# Altium PCB MOTHER_BOARD_LS1021_v1.0.PcbDoc (part 2 of 15) (continued)
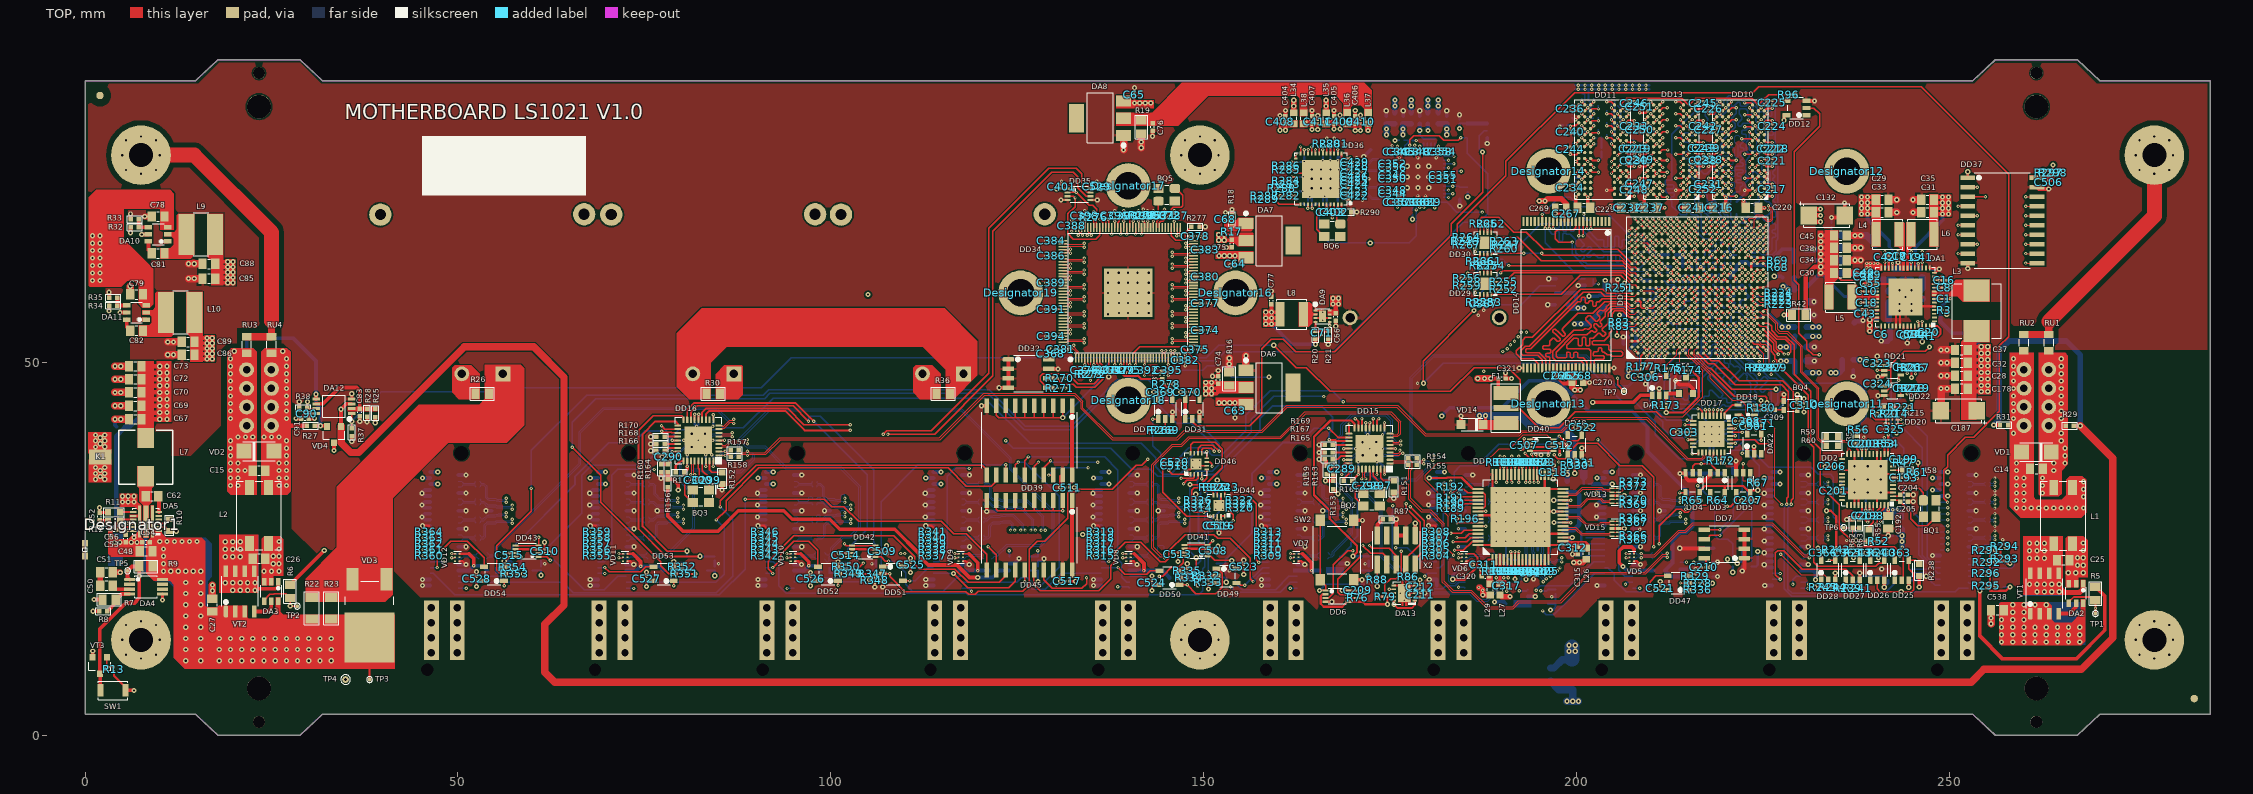
[diagram p0: TOP view]
## Components (designator, comment, footprint, x,y, rotation, side; value= is the part's Value field where it differs from the comment) (continued)
R255 "4K7" R0201 190.275,60.8 r0 top
R256 "4K7" R0201 185.375,61.3 r180 top
R257 "4K7" R0201 187.575,62.975 r90 top
R258 "4K7" R0201 187.075,58.075 r270 top
R259 "4K7" R0201 185.375,60.3 r180 top
R260 "4K7" R0201 190.3,65.275 r0 top
R261 "4K7" R0201 188.075,63.575 r270 top
R262 "4K7" R0201 188.575,68.6 r90 top
R263 "4K7" R0201 190.3,66.275 r0 top
R264 "4K7" R0201 185.3,66.775 r180 top
R265 "4K7" R0201 187.575,68.6 r90 top
R266 "4K7" R0201 187.075,63.575 r270 top
R267 "4K7" R0201 185.3,65.775 r180 top
R268 "4К7" R0201 144.3,40.925 r90 top
R269 "4К7" R0201 144.875,40.925 r90 top
R270 "4К7" R0201 130.7,47.875 r180 top
R271 "4К7" R0201 130.7,46.575 r180 top
R272 "4К7" R0201 135.075,48.4 r90 top
R273 "4К7" R0201 134.575,48.4 r90 top
R274 "4К7" R0201 137.275,48.975 r90 top
R275 "4К7" R0201 139.675,48.975 r90 top
R276 "4К7" R0201 135.275,69.475 r270 top
R277 "4К99 1%" R0402 148.9,68.2 r0 top
R278 "1К 1%" R0201 145,47.1 r0 top
R279 "4К7" R0201 141.925,69.775 r270 top
R280 "1К 1%" R0201 166.5,79.325 r90 top
R281 "1К 1%" R0201 167.5,79.325 r90 top
R282 "1К 1%" R0201 161.05,72.375 r180 top
R283 "10К" R0201 161.05,73.875 r0 top
R284 "10К" R0201 161.05,74.375 r0 top
R285 "10К" R0201 161.05,75.875 r0 top
R286 "10К" R0201 161.05,76.375 r0 top
R287 "2К2" R0201 158.175,72.375 r0 top
R288 "1К 1%" R0201 160.45,73.375 r180 top
R289 "2К2" R0201 158.175,71.875 r0 top
R290 "12К1 1%" R0402 169.225,70.175 r180 top
R291 "4К7" R0201 254.975,24.825 r270 top
R292 "4К7" R0201 255,23.225 r90 top
R293 "4К7" R0201 257.425,23.7 r90 top
R294 "4К7" R0201 257.425,25.325 r270 top
R295 "4К7" R0201 254.975,20.075 r90 top
R296 "4К7" R0201 254.975,21.7 r270 top
R297 "0" R0201 263.325,75.425 r270 top
R298 "0" R0201 263.925,75.425 r270 top
R299 "4К7" R0201 200.95,24.1 r0 bottom
R300 "4К7" R0201 200.95,24.9 r0 bottom
R301 "4К7" R0201 200.95,25.7 r0 bottom
R302 "4К7" R0201 200.95,26.5 r0 bottom
R303 "4К7" R0201 200.95,27.3 r0 bottom
R304 "4К7" R0201 181.175,24.1 r180 top
R305 "4К7" R0201 181.175,24.9 r180 top
R306 "4К7" R0201 181.175,25.725 r180 top
R307 "4К7" R0201 181.175,26.5 r180 top
R308 "4К7" R0201 181.175,27.3 r180 top
R309 "4К7" R0201 158.675,24.1 r180 top
R310 "4К7" R0201 158.675,24.9 r180 top
R311 "4К7" R0201 158.675,25.7 r180 top
R312 "4К7" R0201 158.675,26.5 r180 top
R313 "4К7" R0201 158.675,27.3 r180 top
R314 "4К7" R0201 149.25,30.55 r0 top
R315 "4К7" R0201 136.175,24.1 r180 top
R316 "4К7" R0201 136.175,24.9 r180 top
R317 "4К7" R0201 136.175,25.7 r180 top
R318 "4К7" R0201 136.175,26.5 r180 top
R319 "4К7" R0201 136.175,27.3 r180 top
R320 "4К7" R0201 154.825,30.55 r0 top
R321 "4К7" R0201 154.825,31.05 r0 top
R322 "4К7" R0201 154.825,31.55 r0 top
R323 "4К7" R0201 152.825,33.275 r90 top
R324 "4К7" R0201 151.825,33.275 r90 top
R325 "4К7" R0201 151.325,33.275 r90 top
R326 "4К7" R0201 149.25,31.55 r180 top
R327 "8х4К7" R0201 149.25,31.05 r180 top
R328 "4К7" R0201 216.25,20.425 r180 top
R329 "4К7" R0201 215.95,21.325 r270 top
R330 "4К7" R0201 199.775,36.225 r90 top
R331 "4К7" R0201 200.675,36.525 r180 top
R332 "4К7" R0201 150.35,21.375 r0 top
R333 "4К7" R0201 150.65,20.525 r90 top
R334 "4К7" R0201 148.1,21.125 r180 top
R335 "4К7" R0201 147.8,22.1 r270 top
R336 "0" R0201 216.25,19.5 r0 top
R337 "4К7" R0201 113.7,24.1 r180 top
R338 "4К7" R0201 113.7,24.9 r180 top
R339 "4К7" R0201 113.7,25.7 r180 top
R340 "4К7" R0201 113.7,26.5 r180 top
R341 "4К7" R0201 113.7,27.3 r180 top
R342 "4К7" R0201 91.2,24.1 r180 top
R343 "4К7" R0201 91.2,24.9 r180 top
R344 "4К7" R0201 91.2,25.7 r180 top
R345 "4К7" R0201 91.2,26.5 r180 top
R346 "4К7" R0201 91.2,27.3 r180 top
R347 "4К7" R0201 105.6,21.65 r0 top
R348 "4К7" R0201 105.9,20.775 r90 top
R349 "4К7" R0201 102.4,21.65 r180 top
R350 "4К7" R0201 102.1,22.6 r270 top
R351 "4К7" R0201 80.4,21.65 r180 top
R352 "4К7" R0201 80.1,22.575 r270 top
R353 "4К7" R0201 57.625,21.65 r180 top
R354 "4К7" R0201 57.325,22.55 r270 top
R355 "4К7" R0201 68.675,24.1 r180 top
R356 "4К7" R0201 68.675,24.9 r180 top
R357 "4К7" R0201 68.675,25.709 r180 top
R358 "4К7" R0201 68.675,26.5 r180 top
R359 "4К7" R0201 68.675,27.3 r180 top
R360 "4К7" R0201 46.175,24.1 r180 top
R361 "4К7" R0201 46.175,24.9 r180 top
R362 "4К7" R0201 46.175,25.7 r180 top
R363 "4К7" R0201 46.175,26.5 r180 top
R364 "4К7" R0201 46.175,27.3 r180 top
R365 "0" R0201 207.7,26.2 r180 top
R366 "0" R0201 207.7,26.8 r180 top
R367 "0" R0201 207.675,28.6 r180 top
R368 "0" R0201 207.675,29.2 r180 top
R369 "0" R0201 207.675,31 r180 top
R370 "0" R0201 207.675,31.6 r180 top
R371 "0" R0201 201.3,33.7 r180 bottom
R372 "0" R0201 207.675,33.4 r180 top
R373 "0" R0201 207.675,34 r180 top
RU1 "WE-VS 82550140" WE-VS_0805 263.35,52.65 r270 top
RU2 "WE-VS 82550140" WE-VS_0805 260,52.65 r90 top
RU3 "WE-VS 82550140" WE-VS_0805 21.675,52.35 r270 top
RU4 "WE-VS 82550140" WE-VS_0805 25,52.35 r90 top
SW1 "B3U-1000P" B3U-1000P 3.75,6.025 r0 top
SW2 "WS-TASV 430152080826" "WE 430152080826" 167.9,24.85 r90 top
TP1 "VIN1_STAT" TEST_POINT_SMD 269.6,16.325 r90 top
TP2 "VIN2_STAT" TEST_POINT_SMD 28.45,17.325 r90 top
TP3 "PVIN" TEST_POINT_SMD 38.15,7.475 r90 top
TP4 "AGND" KONT_04/09 34.925,7.475 r90 top
TP5 "PWR_ENA" TEST_POINT_SMD 5.7,22.05 r90 top
TP6 "TEST_POINT_SMD" TEST_POINT_SMD 235.85,27.85 r90 top
TP7 "TEST_POINT_SMD" TEST_POINT_SMD 206.375,46.125 r90 top
VD1 "SMAJ15CA" SMA(DO-214AC) 261.675,38 r0 top
VD2 "SMAJ15CA" SMA(DO-214AC) 23.325,38.1 r180 top
VD3 "STPS15L45CB" "DPAK - diodE" 38.15,17.025 r180 top
VD4 "BAT54C" SOT-23 33.375,40.325 r180 top
VD5 "TPD4S012DRYR" SON-6 207.425,23.85 r0 top
VD6 "TPD4S012DRYR" SON-6 184.925,23.85 r0 top
VD7 "TPD4S012DRYR" SON-6 162.425,23.85 r0 top
VD8 "TPD4S012DRYR" SON-6 139.925,23.85 r0 top
VD9 "TPD4S012DRYR" SON-6 117.425,23.85 r0 top
VD10 "TPD4S012DRYR" SON-6 94.925,23.85 r0 top
VD11 "TPD4S012DRYR" SON-6 72.425,23.85 r0 top
VD12 "TPD4S012DRYR" SON-6 49.925,23.85 r0 top
VD13 "SP3010-04UTG" uDFN10 205.225,32.125 r270 top
VD14 "SMF5.0AT1G" SOD-123 186,41.7 r0 top
VD15 "SP3010-04UTG" uDFN10 205.225,27.725 r270 top
VD16 "WE-TVS 824014881" DFN3810-9L 212.4,30.1 r90 bottom
VD17 "WE-TVS 824014881" DFN3810-9L 194.825,24.35 r0 bottom
VD18 "WE-TVS 824014881" DFN3810-9L 167.225,30.1 r90 bottom
VD19 "WE-TVS 824014881" DFN3810-9L 145.175,30.1 r90 bottom
VD20 "WE-TVS 824014881" DFN3810-9L 122.625,30.05 r90 bottom
VD21 "WE-TVS 824014881" DFN3810-9L 100.4,30.1 r90 bottom
VD22 "WE-TVS 824014881" DFN3810-9L 77.975,30.1 r90 bottom
VD23 "WE-TVS 824014881" DFN3810-9L 55,30.1 r90 bottom
VD24 "SP3304NUTG" DFN10 256.2,24.025 r180 bottom
VD25 "SP3304NUTG" DFN10 256.2,20.9 r180 bottom
VT1 "IRF7241" SOIC8 262.775,19.025 r180 top
VT2 "IRF7241" SOIC8 20.8,19.3 r180 top
VT3 "IRLML6246TR" SOT-23 1.975,9.35 r180 top value=IRLML6246TRPbF
VT4 "IRLML6246TR" SOT-23 214.675,46.95 r0 top value=IRLML6246TRPbF
X1 "WA-BCPH 79578211" "WE 79578211" 174.895,56 r180 bottom
X2 "JTAG_CORTEX" PLLD1.27-10s 175.85,24.85 r180 top
X3 "Amphenol CE1204000110111" CE1204000110111 248.375,8.8 r90 bottom locked
X4 "Amphenol CE1204000110111" CE1204000110111 225.875,8.8 r90 bottom locked
X5 "Amphenol CE1204000110111" CE1204000110111 203.375,8.8 r90 bottom locked
X6 "Amphenol CE1204000110111" CE1204000110111 180.875,8.8 r90 bottom locked
X7 "Amphenol CE1204000110111" CE1204000110111 158.375,8.8 r90 bottom locked
X8 "Amphenol CE1204000110111" CE1204000110111 135.875,8.8 r90 bottom locked
X9 "Amphenol CE1204000110111" CE1204000110111 113.375,8.8 r90 bottom locked
X10 "Amphenol CE1204000110111" CE1204000110111 90.875,8.8 r90 bottom locked
X11 "Amphenol CE1204000110111" CE1204000110111 68.375,8.8 r90 bottom locked
X12 "Amphenol CE1204000110111" CE1204000110111 45.875,8.8 r90 bottom locked
X13 "MOLEX 46112-0201" "MOLEX 46112-0201" 261.676,45.289 r180 bottom locked
X14 "MOLEX 46112-0201" "MOLEX 46112-0201" 23.326,45.279 r180 bottom locked

## Footprints (in the part's own frame and the unit in brackets; to place one, negate y for a bottom-side part, rotate by r counter-clockwise, add the part's x,y. Pads: shape width x height; smd on the part's side, far side on the other; paste and mask are expansions set on the pad)
B3U-1000P [mm]
  rect 0.8x1.7 smd paste+0 mask+0.05: 1(-1.7,0) 2(1.7,0)
  silkscreen extent -2,-1.25 2,1.25, body extent -2,-1.25 2,1.25, height 1.6
BGA525 [mm]
  round 0.41 smd paste-0.02 mask+0.05: A2(-8,8.8) A3(-7.2,8.8) A4(-6.4,8.8) A5(-5.6,8.8) A6(-4.8,8.8) A7(-4,8.8) A8(-3.2,8.8) A9(-2.4,8.8) A10(-1.6,8.8) A11(-0.8,8.8) A12(0,8.8) A13(0.8,8.8) A14(1.6,8.8) A15(2.4,8.8) A16(3.2,8.8) A17(4,8.8) A18(4.8,8.8) A19(5.6,8.8) A20(6.4,8.8) A21(7.2,8.8) A22(8,8.8) AA1(-8.8,-7.2) AA2(-8,-7.2) AA3(-7.2,-7.2) AA4(-6.4,-7.2) AA5(-5.6,-7.2) AA6(-4.8,-7.2) AA7(-4,-7.2) AA8(-3.2,-7.2) AA9(-2.4,-7.2) AA10(-1.6,-7.2) AA11(-0.8,-7.2) AA12(0,-7.2) AA13(0.8,-7.2) AA14(1.6,-7.2) AA15(2.4,-7.2) AA16(3.2,-7.2) AA17(4,-7.2) AA18(4.8,-7.2) AA19(5.6,-7.2) AA20(6.4,-7.2) AA21(7.2,-7.2) AA22(8,-7.2) AA23(8.8,-7.2) AB1(-8.8,-8) AB2(-8,-8) AB3(-7.2,-8) AB4(-6.4,-8) AB5(-5.6,-8) AB6(-4.8,-8) AB7(-4,-8) AB8(-3.2,-8) AB9(-2.4,-8) AB10(-1.6,-8) AB11(-0.8,-8) AB12(0,-8) AB13(0.8,-8) AB14(1.6,-8) AB15(2.4,-8) AB16(3.2,-8) AB17(4,-8) AB18(4.8,-8) AB19(5.6,-8) AB20(6.4,-8) AB21(7.2,-8) AB22(8,-8) AB23(8.8,-8) AC2(-8,-8.8) AC3(-7.2,-8.8) AC4(-6.4,-8.8) AC5(-5.6,-8.8) AC6(-4.8,-8.8) AC7(-4,-8.8) AC8(-3.2,-8.8) AC9(-2.4,-8.8) AC10(-1.6,-8.8) AC11(-0.8,-8.8) AC12(0,-8.8) AC13(0.8,-8.8) AC14(1.6,-8.8) AC15(2.4,-8.8) AC16(3.2,-8.8) AC17(4,-8.8) AC18(4.8,-8.8) AC19(5.6,-8.8) AC20(6.4,-8.8) AC21(7.2,-8.8) AC22(8,-8.8) B1(-8.8,8) B2(-8,8) B3(-7.2,8) B4(-6.4,8) B5(-5.6,8) B6(-4.8,8) B7(-4,8) B8(-3.2,8) B9(-2.4,8) B10(-1.6,8) B11(-0.8,8) B12(0,8) B13(0.8,8) B14(1.6,8) B15(2.4,8) B16(3.2,8) B17(4,8) B18(4.8,8) B19(5.6,8) B20(6.4,8) B21(7.2,8) B22(8,8) B23(8.8,8) C1(-8.8,7.2) C2(-8,7.2) C3(-7.2,7.2) C4(-6.4,7.2) C5(-5.6,7.2) C6(-4.8,7.2) C7(-4,7.2) C8(-3.2,7.2) C9(-2.4,7.2) C10(-1.6,7.2) C11(-0.8,7.2) C12(0,7.2) C13(0.8,7.2) C14(1.6,7.2) C15(2.4,7.2) C16(3.2,7.2) C17(4,7.2) C18(4.8,7.2) C19(5.6,7.2) C20(6.4,7.2) C21(7.2,7.2) C22(8,7.2) C23(8.8,7.2) D1(-8.8,6.4) D2(-8,6.4) D3(-7.2,6.4) D4(-6.4,6.4) D5(-5.6,6.4) D6(-4.8,6.4) D7(-4,6.4) D8(-3.2,6.4) D9(-2.4,6.4) D10(-1.6,6.4) D11(-0.8,6.4) D12(0,6.4) D13(0.8,6.4) D14(1.6,6.4) D15(2.4,6.4) D16(3.2,6.4) D17(4,6.4) D18(4.8,6.4) D19(5.6,6.4) D20(6.4,6.4) D21(7.2,6.4) D22(8,6.4) D23(8.8,6.4) E1(-8.8,5.6) E2(-8,5.6) E3(-7.2,5.6) E4(-6.4,5.6) E5(-5.6,5.6) E6(-4.8,5.6) E7(-4,5.6) E8(-3.2,5.6) E9(-2.4,5.6) E10(-1.6,5.6) E11(-0.8,5.6) E12(0,5.6) E13(0.8,5.6) E14(1.6,5.6) E15(2.4,5.6) E16(3.2,5.6) E17(4,5.6) E18(4.8,5.6) E19(5.6,5.6) E20(6.4,5.6) E21(7.2,5.6) E22(8,5.6) E23(8.8,5.6) F1(-8.8,4.8) F2(-8,4.8) F3(-7.2,4.8) F4(-6.4,4.8) F5(-5.6,4.8) F6(-4.8,4.8) F7(-4,4.8) F8(-3.2,4.8) F9(-2.4,4.8) F10(-1.6,4.8) F11(-0.8,4.8) F12(0,4.8) F13(0.8,4.8) F14(1.6,4.8) F15(2.4,4.8) F16(3.2,4.8) F17(4,4.8) F18(4.8,4.8) F19(5.6,4.8) F20(6.4,4.8) F21(7.2,4.8) F22(8,4.8) F23(8.8,4.8) G1(-8.8,4) G2(-8,4) G3(-7.2,4) G4(-6.4,4) G5(-5.6,4) G6(-4.8,4) G7(-4,4) G8(-3.2,4) G9(-2.4,4) G10(-1.6,4) G11(-0.8,4) G12(0,4) G13(0.8,4) G14(1.6,4) G15(2.4,4) G16(3.2,4) G17(4,4) G18(4.8,4) G19(5.6,4) G20(6.4,4) G21(7.2,4) G22(8,4) G23(8.8,4) H1(-8.8,3.2) H2(-8,3.2) H3(-7.2,3.2) H4(-6.4,3.2) H5(-5.6,3.2) H6(-4.8,3.2) H7(-4,3.2) H8(-3.2,3.2) H9(-2.4,3.2) H10(-1.6,3.2) H11(-0.8,3.2) H12(0,3.2) H13(0.8,3.2) H14(1.6,3.2) H15(2.4,3.2) H16(3.2,3.2) H17(4,3.2) H18(4.8,3.2) H19(5.6,3.2) H20(6.4,3.2) H21(7.2,3.2) H22(8,3.2) H23(8.8,3.2) J1(-8.8,2.4) J2(-8,2.4) J3(-7.2,2.4) J4(-6.4,2.4) J5(-5.6,2.4) J6(-4.8,2.4) J7(-4,2.4) J8(-3.2,2.4) J9(-2.4,2.4) J10(-1.6,2.4) J11(-0.8,2.4) J12(0,2.4) J13(0.8,2.4) J14(1.6,2.4) J15(2.4,2.4) J16(3.2,2.4) J17(4,2.4) J18(4.8,2.4) J19(5.6,2.4) J20(6.4,2.4) J21(7.2,2.4) J22(8,2.4) J23(8.8,2.4) K1(-8.8,1.6) K2(-8,1.6) K3(-7.2,1.6) K4(-6.4,1.6) K5(-5.6,1.6) K6(-4.8,1.6) K7(-4,1.6) K8(-3.2,1.6) K9(-2.4,1.6) K10(-1.6,1.6) K11(-0.8,1.6) K12(0,1.6) K13(0.8,1.6) K14(1.6,1.6) K15(2.4,1.6) K16(3.2,1.6) K17(4,1.6) K18(4.8,1.6) K19(5.6,1.6) K20(6.4,1.6) K21(7.2,1.6) K22(8,1.6) K23(8.8,1.6) L1(-8.8,0.8) L2(-8,0.8) L3(-7.2,0.8) L4(-6.4,0.8) L5(-5.6,0.8) L6(-4.8,0.8) L7(-4,0.8) L8(-3.2,0.8) L9(-2.4,0.8) L10(-1.6,0.8) L11(-0.8,0.8) L12(0,0.8) L13(0.8,0.8) L14(1.6,0.8) L15(2.4,0.8) L16(3.2,0.8) L17(4,0.8) L18(4.8,0.8) L19(5.6,0.8) L20(6.4,0.8) L21(7.2,0.8) L22(8,0.8) L23(8.8,0.8) M1(-8.8,0) M2(-8,0) M3(-7.2,0) M4(-6.4,0) M5(-5.6,0) M6(-4.8,0) M7(-4,0) M8(-3.2,0) M9(-2.4,0) M10(-1.6,0) M11(-0.8,0) M12(0,0) M13(0.8,0) M14(1.6,0) M15(2.4,0) M16(3.2,0) M17(4,0) M18(4.8,0) M19(5.6,0) M20(6.4,0) M21(7.2,0) M22(8,0) M23(8.8,0) N1(-8.8,-0.8) N2(-8,-0.8) N3(-7.2,-0.8) N4(-6.4,-0.8) N5(-5.6,-0.8) N6(-4.8,-0.8) N7(-4,-0.8) N8(-3.2,-0.8) N9(-2.4,-0.8) N10(-1.6,-0.8) N11(-0.8,-0.8) N12(0,-0.8) N13(0.8,-0.8) N14(1.6,-0.8) N15(2.4,-0.8) N16(3.2,-0.8) N17(4,-0.8) N18(4.8,-0.8) N19(5.6,-0.8) N20(6.4,-0.8) N21(7.2,-0.8) N22(8,-0.8) N23(8.8,-0.8) P1(-8.8,-1.6) P2(-8,-1.6) P3(-7.2,-1.6) P4(-6.4,-1.6) P5(-5.6,-1.6) P6(-4.8,-1.6) P7(-4,-1.6) P8(-3.2,-1.6) P9(-2.4,-1.6) P10(-1.6,-1.6) P11(-0.8,-1.6) P12(0,-1.6) P13(0.8,-1.6) P14(1.6,-1.6) P15(2.4,-1.6) P16(3.2,-1.6) P17(4,-1.6) P18(4.8,-1.6) P19(5.6,-1.6) P20(6.4,-1.6) P21(7.2,-1.6) P22(8,-1.6) P23(8.8,-1.6) R1(-8.8,-2.4) R2(-8,-2.4) R3(-7.2,-2.4) R4(-6.4,-2.4) R5(-5.6,-2.4) R6(-4.8,-2.4) R7(-4,-2.4) R8(-3.2,-2.4) R9(-2.4,-2.4) R10(-1.6,-2.4) R11(-0.8,-2.4) R12(0,-2.4) R13(0.8,-2.4) R14(1.6,-2.4) R15(2.4,-2.4) R16(3.2,-2.4) R17(4,-2.4) R18(4.8,-2.4) R19(5.6,-2.4) R20(6.4,-2.4) R21(7.2,-2.4) R22(8,-2.4) R23(8.8,-2.4) T1(-8.8,-3.2) T2(-8,-3.2) T3(-7.2,-3.2) T4(-6.4,-3.2) T5(-5.6,-3.2) T6(-4.8,-3.2) T7(-4,-3.2) T8(-3.2,-3.2) T9(-2.4,-3.2) T10(-1.6,-3.2) T11(-0.8,-3.2) T12(0,-3.2) T13(0.8,-3.2) T14(1.6,-3.2) T15(2.4,-3.2) T16(3.2,-3.2) T17(4,-3.2) T18(4.8,-3.2) T19(5.6,-3.2) T20(6.4,-3.2) T21(7.2,-3.2) T22(8,-3.2) T23(8.8,-3.2) U1(-8.8,-4) U2(-8,-4) U3(-7.2,-4) U4(-6.4,-4) U5(-5.6,-4) U6(-4.8,-4) U7(-4,-4) U8(-3.2,-4) U9(-2.4,-4) U10(-1.6,-4) U11(-0.8,-4) U12(0,-4) U13(0.8,-4) U14(1.6,-4) U15(2.4,-4) U16(3.2,-4) U17(4,-4) U18(4.8,-4) U19(5.6,-4) U20(6.4,-4) U21(7.2,-4) U22(8,-4) U23(8.8,-4) V1(-8.8,-4.8) V2(-8,-4.8) V3(-7.2,-4.8) V4(-6.4,-4.8) V5(-5.6,-4.8) V6(-4.8,-4.8) V7(-4,-4.8) V8(-3.2,-4.8) V9(-2.4,-4.8) V10(-1.6,-4.8) V11(-0.8,-4.8) V12(0,-4.8) V13(0.8,-4.8) V14(1.6,-4.8) V15(2.4,-4.8) V16(3.2,-4.8) V17(4,-4.8) V18(4.8,-4.8) V19(5.6,-4.8) V20(6.4,-4.8) V21(7.2,-4.8) V22(8,-4.8) V23(8.8,-4.8) W1(-8.8,-5.6) W2(-8,-5.6) W3(-7.2,-5.6) W4(-6.4,-5.6) W5(-5.6,-5.6) W6(-4.8,-5.6) W7(-4,-5.6) W8(-3.2,-5.6) W9(-2.4,-5.6) W10(-1.6,-5.6) W11(-0.8,-5.6) W12(0,-5.6) W13(0.8,-5.6) W14(1.6,-5.6) W15(2.4,-5.6) W16(3.2,-5.6) W17(4,-5.6) W18(4.8,-5.6) W19(5.6,-5.6) W20(6.4,-5.6) W21(7.2,-5.6) W22(8,-5.6) W23(8.8,-5.6) Y1(-8.8,-6.4) Y2(-8,-6.4) Y3(-7.2,-6.4) Y4(-6.4,-6.4) Y5(-5.6,-6.4) Y6(-4.8,-6.4) Y7(-4,-6.4) Y8(-3.2,-6.4) Y9(-2.4,-6.4) Y10(-1.6,-6.4) Y11(-0.8,-6.4) Y12(0,-6.4) Y13(0.8,-6.4) Y14(1.6,-6.4) Y15(2.4,-6.4) Y16(3.2,-6.4) Y17(4,-6.4) Y18(4.8,-6.4) Y19(5.6,-6.4) Y20(6.4,-6.4) Y21(7.2,-6.4) Y22(8,-6.4) Y23(8.8,-6.4)
  silkscreen extent -9.5,-9.5 9.5,9.5, body extent -9.5,-9.5 9.5,9.5, height 1.9
C0201 [mm]
  rect 0.35x0.3 smd paste-3 mask+0.05: 1(-0.275,0) 2(0.275,0)
  body extent -0.3,-0.15 0.3,0.15, height 0.2
C0402 [mm]
  rect 0.6x0.6 smd paste-0.05 mask+0.05: 1(0.5,0) 2(-0.5,0)
  silkscreen extent -0.08,-0.25 0.08,0.25, body extent -0.5,-0.25 0.5,0.25, height 0.6
C0603 [mm]
  rect 0.9x0.9 smd paste-0.05 mask+0.05: 1(-0.75,0) 2(0.75,0)
  silkscreen extent -0.18,-0.4 0.18,0.4, body extent -0.8,-0.4 0.8,0.4, height 0.5
C0805 [mm]
  rect 1.1x1.4 smd paste-0.05 mask+0.05: 1(-0.85,0) 2(0.85,0)
  silkscreen extent -0.18,-0.63 0.18,0.63, body extent -1,-0.62 1,0.63, height 1
C1812 [mm]
  rect 1.4x3.4 smd paste-0.05 mask+0.05: 1(-2,0) 2(2,0)
  silkscreen extent -1.17,-1.6 1.17,1.6, body extent -2.25,-1.6 2.25,1.6, height 1.6
CaseC [mm]
  rect 2.2x2.4 smd paste-0.05 mask+0.05: 1(-2.4,0) 2(2.4,0)
  silkscreen extent -3.73,-1.63 3.1,1.83, body extent -3.09,-1.63 3.09,1.57, height 2.67
CE1204000110111 [mm]
  rect 2.7x3.4 smd paste-0.1 mask+0.05: 0(-3.15,2.3) 0(32.2,2.3)
  rect 0.5x1.2 smd paste-0.05 mask+0.05: 1(11.3,0.4) 2(10.9,4.2) 3(12.1,0.4) 4(11.7,4.2) 5(12.9,0.4) 6(12.5,4.2) 7(13.7,0.4) 8(13.3,4.2) 9(14.5,0.4) 10(14.1,4.2) 11(15.3,0.4) 12(14.9,4.2) 13(16.1,0.4) 14(15.7,4.2) 15(16.9,0.4) 16(16.5,4.2) 17(17.7,0.4) 18(17.3,4.2) 19(18.5,0.4) 20(18.1,4.2) 21(19.3,0.4) 22(18.9,4.2) 23(20.1,0.4) 24(19.7,4.2) 25(20.9,0.4) 26(20.5,4.2) 27(21.7,0.4) 28(21.3,4.2) 29(22.5,0.4) 30(22.1,4.2) 31(23.3,0.4) 32(22.9,4.2) 33(24.1,0.4) 34(23.7,4.2) 35(24.9,0.4) 36(24.5,4.2) 37(25.7,0.4) 38(25.3,4.2) 39(26.5,0.4) 40(26.1,4.2)
  rect 0x0 hole 1.65 unplated paste+0 mask+0.05: MO(0,0)
  rect 0x0 hole 1.95 unplated paste+0 mask+0.05: MO(29.05,4.6)
  rect 2x2 hole 1 paste+0 mask+0.1: P1(8.3,0.57) P2(6.3,0.57) P3(4.3,0.57) P4(2.3,0.57) P5(8.3,4.03) P6(6.3,4.03) P7(4.3,4.03) P8(2.3,4.03)
  silkscreen extent -4.67,-1.2 33.73,5.8, body extent -4.3,-1.2 33.35,5.8, height 11.3
DFN10 [mm]
  rect 0.55x0.3 smd paste-0.03 mask+0.05: 1(-1.1,1) 2(-1.1,0.5) 3(-1.1,0) 4(-1.1,-0.5) 5(-1.1,-1) 6(1.1,-1) 7(1.1,-0.5) 8(1.1,0) 9(1.1,0.5) 10(1.1,1)
  rect 1.25x2.3 smd paste-0.05 mask+0.05: 11(0,0)
  silkscreen extent -1.85,-1.35 1.35,1.5, body extent -1.35,-1.35 1.35,1.35, height 0.55
DFN3810-9L [mm] "WE 824014881"
  rect 0.2x0.6 smd paste+0 mask+0.05: 1(-1.7,-0.475) 2(-0.8,-0.475) 3(0,-0.475) 4(0.8,-0.475) 5(1.7,-0.475) 6(1.3,0.475) 7(0.4,0.475) 8(-0.4,0.475) 9(-1.3,0.475)
  silkscreen extent -2.25,-0.57 1.95,0.55, body extent -1.9,-0.5 1.9,0.5, height 0.5
"DPAK - diodE" [mm] "STPS15L45CB"
  rect 1.6x3 smd paste-0.1 mask+0.05: A1(-2.286,-3.925) A2(2.286,-3.925)
  rect 6.7x6.7 smd paste-0.1 mask+0.05: K(0,3.925)
  silkscreen extent -3.27,-3.62 3.27,-0.47, body extent -3.27,-4.74 3.27,5.2, height 2.39
DS321G [mm]
  rect 1.4x1.2 smd paste-0.05 mask+0.05: 1(-1.1,-0.9) 2(1.1,-0.9) 3(1.1,0.8) 4(-1.1,0.8)
  silkscreen extent -2,-1.7 1.6,1.25, body extent -1.6,-1.25 1.6,1.25, height 0.85
DSB211SDN [mm]
  rect 0.6x0.8 smd paste-0.05 mask+0.05: 1(-0.9,-0.6) 2(0.9,-0.6) 3(0.9,0.6) 4(-0.9,0.6)
  silkscreen extent -1.4,-1.2 1,0.8, body extent -1,-0.8 1,0.8, height 0.7
FBGA-96 [mm]
  round 0.45 smd paste-0.02 mask+0.05: A1(-3.2,6) A2(-2.4,6) A3(-1.6,6) A7(1.6,6) A8(2.4,6) A9(3.2,6) B1(-3.2,5.2) B2(-2.4,5.2) B3(-1.6,5.2) B7(1.6,5.2) B8(2.4,5.2) B9(3.2,5.2) C1(-3.2,4.4) C2(-2.4,4.4) C3(-1.6,4.4) C7(1.6,4.4) C8(2.4,4.4) C9(3.2,4.4) D1(-3.2,3.6) D2(-2.4,3.6) D3(-1.6,3.6) D7(1.6,3.6) D8(2.4,3.6) D9(3.2,3.6) E1(-3.2,2.8) E2(-2.4,2.8) E3(-1.6,2.8) E7(1.6,2.8) E8(2.4,2.8) E9(3.2,2.8) F1(-3.2,2) F2(-2.4,2) F3(-1.6,2) F7(1.6,2) F8(2.4,2) F9(3.2,2) G1(-3.2,1.2) G2(-2.4,1.2) G3(-1.6,1.2) G7(1.6,1.2) G8(2.4,1.2) G9(3.2,1.2) H1(-3.2,0.4) H2(-2.4,0.4) H3(-1.6,0.4) H7(1.6,0.4) H8(2.4,0.4) H9(3.2,0.4) J1(-3.2,-0.4) J2(-2.4,-0.4) J3(-1.6,-0.4) J7(1.6,-0.4) J8(2.4,-0.4) J9(3.2,-0.4) K1(-3.2,-1.2) K2(-2.4,-1.2) K3(-1.6,-1.2) K7(1.6,-1.2) K8(2.4,-1.2) K9(3.2,-1.2) L1(-3.2,-2) L2(-2.4,-2) L3(-1.6,-2) L7(1.6,-2) L8(2.4,-2) L9(3.2,-2) M1(-3.2,-2.8) M2(-2.4,-2.8) M3(-1.6,-2.8) M7(1.6,-2.8) M8(2.4,-2.8) M9(3.2,-2.8) N1(-3.2,-3.6) N2(-2.4,-3.6) N3(-1.6,-3.6) N7(1.6,-3.6) N8(2.4,-3.6) N9(3.2,-3.6) P1(-3.2,-4.4) P2(-2.4,-4.4) P3(-1.6,-4.4) P7(1.6,-4.4) P8(2.4,-4.4) P9(3.2,-4.4) R1(-3.2,-5.2) R2(-2.4,-5.2) R3(-1.6,-5.2) R7(1.6,-5.2) R8(2.4,-5.2) R9(3.2,-5.2) T1(-3.2,-6) T2(-2.4,-6) T3(-1.6,-6) T7(1.6,-6) T8(2.4,-6) T9(3.2,-6)
  silkscreen extent -3.75,-6.65 3.75,6.65, body extent -3.75,-6.65 3.75,6.65, height 1.1
GND_DELIM [mm]
  rect 1x3 smd paste-5 mask-5: 1(-0.5,0) 2(0.5,0)
KONT_04/09 [mm]
  round 0.9 hole 0.4: 1(0,0)
  silkscreen extent -0.65,-0.65 0.65,0.65
L0603 [mm] "Ferrite bead"
  rect 0.9x1 smd paste-0.05 mask+0.05: 1(-0.75,0) 2(0.75,0)
  silkscreen extent -0.18,-0.4 0.2,0.4, body extent -0.8,-0.41 0.8,0.4, height 0.8
"LQFP64 0.3x1.3 P0.5 Thermal PAD" [mm] "TFP410MPAPREP"
  rect 0.3x1.5 smd paste+0 mask+0.05: 1(-3.75,-5.7) 2(-3.25,-5.7) 3(-2.75,-5.7) 4(-2.25,-5.7) 5(-1.75,-5.7) 6(-1.25,-5.7) 7(-0.75,-5.7) 8(-0.25,-5.7) 9(0.25,-5.7) 10(0.75,-5.7) 11(1.25,-5.7) 12(1.75,-5.7) 13(2.25,-5.7) 14(2.75,-5.7) 15(3.25,-5.7) 16(3.75,-5.7) 33(3.75,5.7) 34(3.25,5.7) 35(2.75,5.7) 36(2.25,5.7) 37(1.75,5.7) 38(1.25,5.7) 39(0.75,5.7) 40(0.25,5.7) 41(-0.25,5.7) 42(-0.75,5.7) 43(-1.25,5.7) 44(-1.75,5.7) 45(-2.25,5.7) 46(-2.75,5.7) 47(-3.25,5.7) 48(-3.75,5.7)
  rect 1.5x0.3 smd paste+0 mask+0.05: 17(5.7,-3.75) 18(5.7,-3.25) 19(5.7,-2.75) 20(5.7,-2.25) 21(5.7,-1.75) 22(5.7,-1.25) 23(5.7,-0.75) 24(5.7,-0.25) 25(5.7,0.25) 26(5.7,0.75) 27(5.7,1.25) 28(5.7,1.75) 29(5.7,2.25) 30(5.7,2.75) 31(5.7,3.25) 32(5.7,3.75) 49(-5.7,3.75) 50(-5.7,3.25) 51(-5.7,2.75) 52(-5.7,2.25) 53(-5.7,1.75) 54(-5.7,1.25) 55(-5.7,0.75) 56(-5.7,0.25) 57(-5.7,-0.25) 58(-5.7,-0.75) 59(-5.7,-1.25) 60(-5.7,-1.75) 61(-5.7,-2.25) 62(-5.7,-2.75) 63(-5.7,-3.25) 64(-5.7,-3.75)
  rect 8x8 smd paste-1.5 mask-1.5: 65(0,0)
  silkscreen extent -5,-5 5,5, body extent -6,-6 6,6, height 1.56
"MOLEX 46112-0201" [mm]
  round 2 hole 1.02 paste-0.1 mask+0.05: 1(-1.665,-3.75) 1(-1.665,-1.25) 1(-1.665,1.25) 1(-1.665,3.75) 2(1.665,-3.75) 2(1.665,-1.25) 2(1.665,1.25) 2(1.665,3.75)
  silkscreen extent -4.17,-6.2 4.17,6.05, body extent -4.17,-6.2 4.17,6.05, height 15.22
MSOP-8L [mm]
  rect 1x0.4 smd paste-0.05 mask+0.05: 1(-2.4,0.975) 2(-2.4,0.325) 3(-2.4,-0.325) 4(-2.4,-0.975) 5(2.4,-0.975) 6(2.4,-0.325) 7(2.4,0.325) 8(2.4,0.975)
  silkscreen extent -2.27,-1.5 1.53,1.9, body extent -2.45,-1.5 2.45,1.5, height 0.94
PLLD1.27-10s [mm]
  rrect50% 0.75x2.4 smd mask+0.05: 1(-2.54,-1.95)
  rect 0.75x2.4 smd mask+0.05: 2(-2.54,1.95) 3(-1.27,-1.95) 4(-1.27,1.95) 5(0,-1.95) 6(0,1.95) 7(1.27,-1.95) 8(1.27,1.95) 9(2.54,-1.95) 10(2.54,1.95)
  silkscreen extent -3.18,-2.5 3.18,2.5, body extent -3.18,-2.5 3.17,2.5, height 3.9
PVQFN16 [mm]
  rrect50% 0.6x0.25 smd paste+0 mask+0.05: 1(-1.4,0.75)
  rect 0.6x0.25 smd paste+0 mask+0.05: 2(-1.4,0.25) 3(-1.4,-0.25) 4(-1.4,-0.75) 9(1.4,-0.75) 10(1.4,-0.25) 11(1.4,0.25) 12(1.4,0.75)
  rect 0.25x0.6 smd paste+0 mask+0.05: 5(-0.75,-1.4) 6(-0.25,-1.4) 7(0.25,-1.4) 8(0.75,-1.4) 13(0.75,1.4) 14(0.25,1.4) 15(-0.25,1.4) 16(-0.75,1.4)
  rect 1.68x1.68 smd paste-0.065 mask+0.05: 17(0,0)
  silkscreen extent -1.53,-1.53 1.53,1.52, body extent -1.52,-1.52 1.52,1.52, height 0.9
PVQFN-N15 [mm]
  rect 0.8x0.3 on Top Paste paste+0 mask+0: 0(-1.7,-0.85) 0(-1.7,0.85) 0(1.7,-0.85) 0(1.7,0.85)
  rect 0.8x0.55 on Top Paste paste+0 mask+0: 0(-1.7,0) 0(1.7,0)
  rect 0.85x0.3 on Top Paste paste+0 mask+0: 0(-0.58,0.85) 0(-0.58,-0.85) 0(0.58,0.85) 0(0.58,-0.85)
  rect 0.85x0.55 on Top Paste paste+0 mask+0: 0(-0.58,0) 0(0.58,0)
  rrect50% 0.28x0.85 smd paste-0.03 mask+0.05: 1(-1.25,-1.725)
  rect 0.28x0.85 smd paste-0.03 mask+0.05: 2(-0.75,-1.725) 3(-0.25,-1.725) 4(0.25,-1.725) 5(0.75,-1.725) 6(1.25,-1.725) 10(1.25,1.725) 11(0.75,1.725) 12(0.25,1.725) 13(-0.25,1.725) 14(-0.75,1.725) 15(-1.25,1.725)
  rect 4.3x0.4 smd paste-10 mask+0.05: 7(0,-0.85) 9(0,0.85)
  rect 4.3x0.7 smd paste-10 mask+0.05: 8(0,0)
  silkscreen extent -1.88,-1.88 1.8,1.8, body extent -1.8,-1.8 1.8,1.8, height 1
PVQFN-N32 [mm] "PQFN, 32-Leads, Body 5,00x5,00mm, Pitch 0,50mm, Thermal Pad 3,45x3,45mm, IPC Medium Density"
  rect 1x1 on Top Paste paste+0 mask+0: 0(-1.175,1.175) 0(-1.175,0) 0(-1.175,-1.175) 0(0,1.175) 0(0,0) 0(0,-1.175) 0(1.175,1.175) 0(1.175,0) 0(1.175,-1.175)
  rrect50% 0.85x0.28 smd paste-0.03 mask+0.05: 1(-2.475,1.75) 8(-2.475,-1.75) 17(2.475,-1.75) 24(2.475,1.75)
  rect 0.85x0.28 smd paste-0.03 mask+0.05: 2(-2.475,1.25) 3(-2.475,0.75) 4(-2.475,0.25) 5(-2.475,-0.25) 6(-2.475,-0.75) 7(-2.475,-1.25) 18(2.475,-1.25) 19(2.475,-0.75) 20(2.475,-0.25) 21(2.475,0.25) 22(2.475,0.75) 23(2.475,1.25)
  rrect50% 0.28x0.85 smd paste-0.03 mask+0.05: 9(-1.75,-2.475) 16(1.75,-2.475) 25(1.75,2.475) 32(-1.75,2.475)
  rect 0.28x0.85 smd paste-0.03 mask+0.05: 10(-1.25,-2.475) 11(-0.75,-2.475) 12(-0.25,-2.475) 13(0.25,-2.475) 14(0.75,-2.475) 15(1.25,-2.475) 26(1.25,2.475) 27(0.75,2.475) 28(0.25,2.475) 29(-0.25,2.475) 30(-0.75,2.475) 31(-1.25,2.475)
  rect 3.45x3.45 smd paste-5 mask+0.05: 33(0,0)
  silkscreen extent -2.58,-2.57 2.57,2.58, body extent -2.57,-2.57 2.57,2.58, height 1
QFN36_PAD [mm]
  rect 1.2x1.2 on Top Paste: 0(-0.9,0.9) 0(-0.9,-0.9) 0(0.9,0.9) 0(0.9,-0.9)
  rect 0.9x0.28 smd paste-0.03 mask+0.05: 1(-2.75,2)
  rrect50% 0.9x0.28 smd paste-0.03 mask+0.05: 2(-2.75,1.5) 3(-2.75,1) 4(-2.75,0.5) 5(-2.75,0) 6(-2.75,-0.5) 7(-2.75,-1) 8(-2.75,-1.5) 9(-2.75,-2) 19(2.75,-2) 20(2.75,-1.5) 21(2.75,-1) 22(2.75,-0.5) 23(2.75,0) 24(2.75,0.5) 25(2.75,1) 26(2.75,1.5) 27(2.75,2)
  rrect50% 0.28x0.9 smd paste-0.03 mask+0.05: 10(-2,-2.75) 11(-1.5,-2.75) 12(-1,-2.75) 13(-0.5,-2.75) 14(0,-2.75) 15(0.5,-2.75) 16(1,-2.75) 17(1.5,-2.75) 18(2,-2.75) 28(2,2.75) 29(1.5,2.75) 30(1,2.75) 31(0.5,2.75) 32(0,2.75) 33(-0.5,2.75) 34(-1,2.75) 35(-1.5,2.75) 36(-2,2.75)
  rect 3.7x3.7 smd paste-5 mask+0.05: 37(0,0)
  silkscreen extent -3.1,-3.1 3.1,3.1, body extent -3.1,-3.1 3.1,3.1, height 0.9
"QFN48 (5.1 Epad)" [mm] "KSZ9031RNXCC"
  rect 1x1 on Top Paste paste+0 mask+0: 0(-1.25,1.25) 0(-1.25,0) 0(-1.25,-1.25) 0(0,1.25) 0(0,0) 0(0,-1.25) 0(1.25,1.25) 0(1.25,0) 0(1.25,-1.25)
  rect 0.5x0.25 smd paste+0 mask+0.05: 1(-3.4,2.75) 2(-3.4,2.25) 3(-3.4,1.75) 4(-3.4,1.25) 5(-3.4,0.75) 6(-3.4,0.25) 7(-3.4,-0.25) 8(-3.4,-0.75) 9(-3.4,-1.25) 10(-3.4,-1.75) 11(-3.4,-2.25) 12(-3.4,-2.75) 25(3.4,-2.75) 26(3.4,-2.25) 27(3.4,-1.75) 28(3.4,-1.25) 29(3.4,-0.75) 30(3.4,-0.25) 31(3.4,0.25) 32(3.4,0.75) 33(3.4,1.25) 34(3.4,1.75) 35(3.4,2.25) 36(3.4,2.75)
  rect 0.25x0.5 smd paste+0 mask+0.05: 13(-2.75,-3.4) 14(-2.25,-3.4) 15(-1.75,-3.4) 16(-1.25,-3.4) 17(-0.75,-3.4) 18(-0.25,-3.4) 19(0.25,-3.4) 20(0.75,-3.4) 21(1.25,-3.4) 22(1.75,-3.4) 23(2.25,-3.4) 24(2.75,-3.4) 37(2.75,3.4) 38(2.25,3.4) 39(1.75,3.4) 40(1.25,3.4) 41(0.75,3.4) 42(0.25,3.4) 43(-0.25,3.4) 44(-0.75,3.4) 45(-1.25,3.4) 46(-1.75,3.4) 47(-2.25,3.4) 48(-2.75,3.4)
  rect 5.1x5.1 smd paste-5 mask+0.05: 49(0,0)
  silkscreen extent -4.1,-3.5 3.5,3.5, body extent -3.5,-3.5 3.5,3.5, height 0.9